# KiCad board element_foxtrot.kicad_pcb (continued)
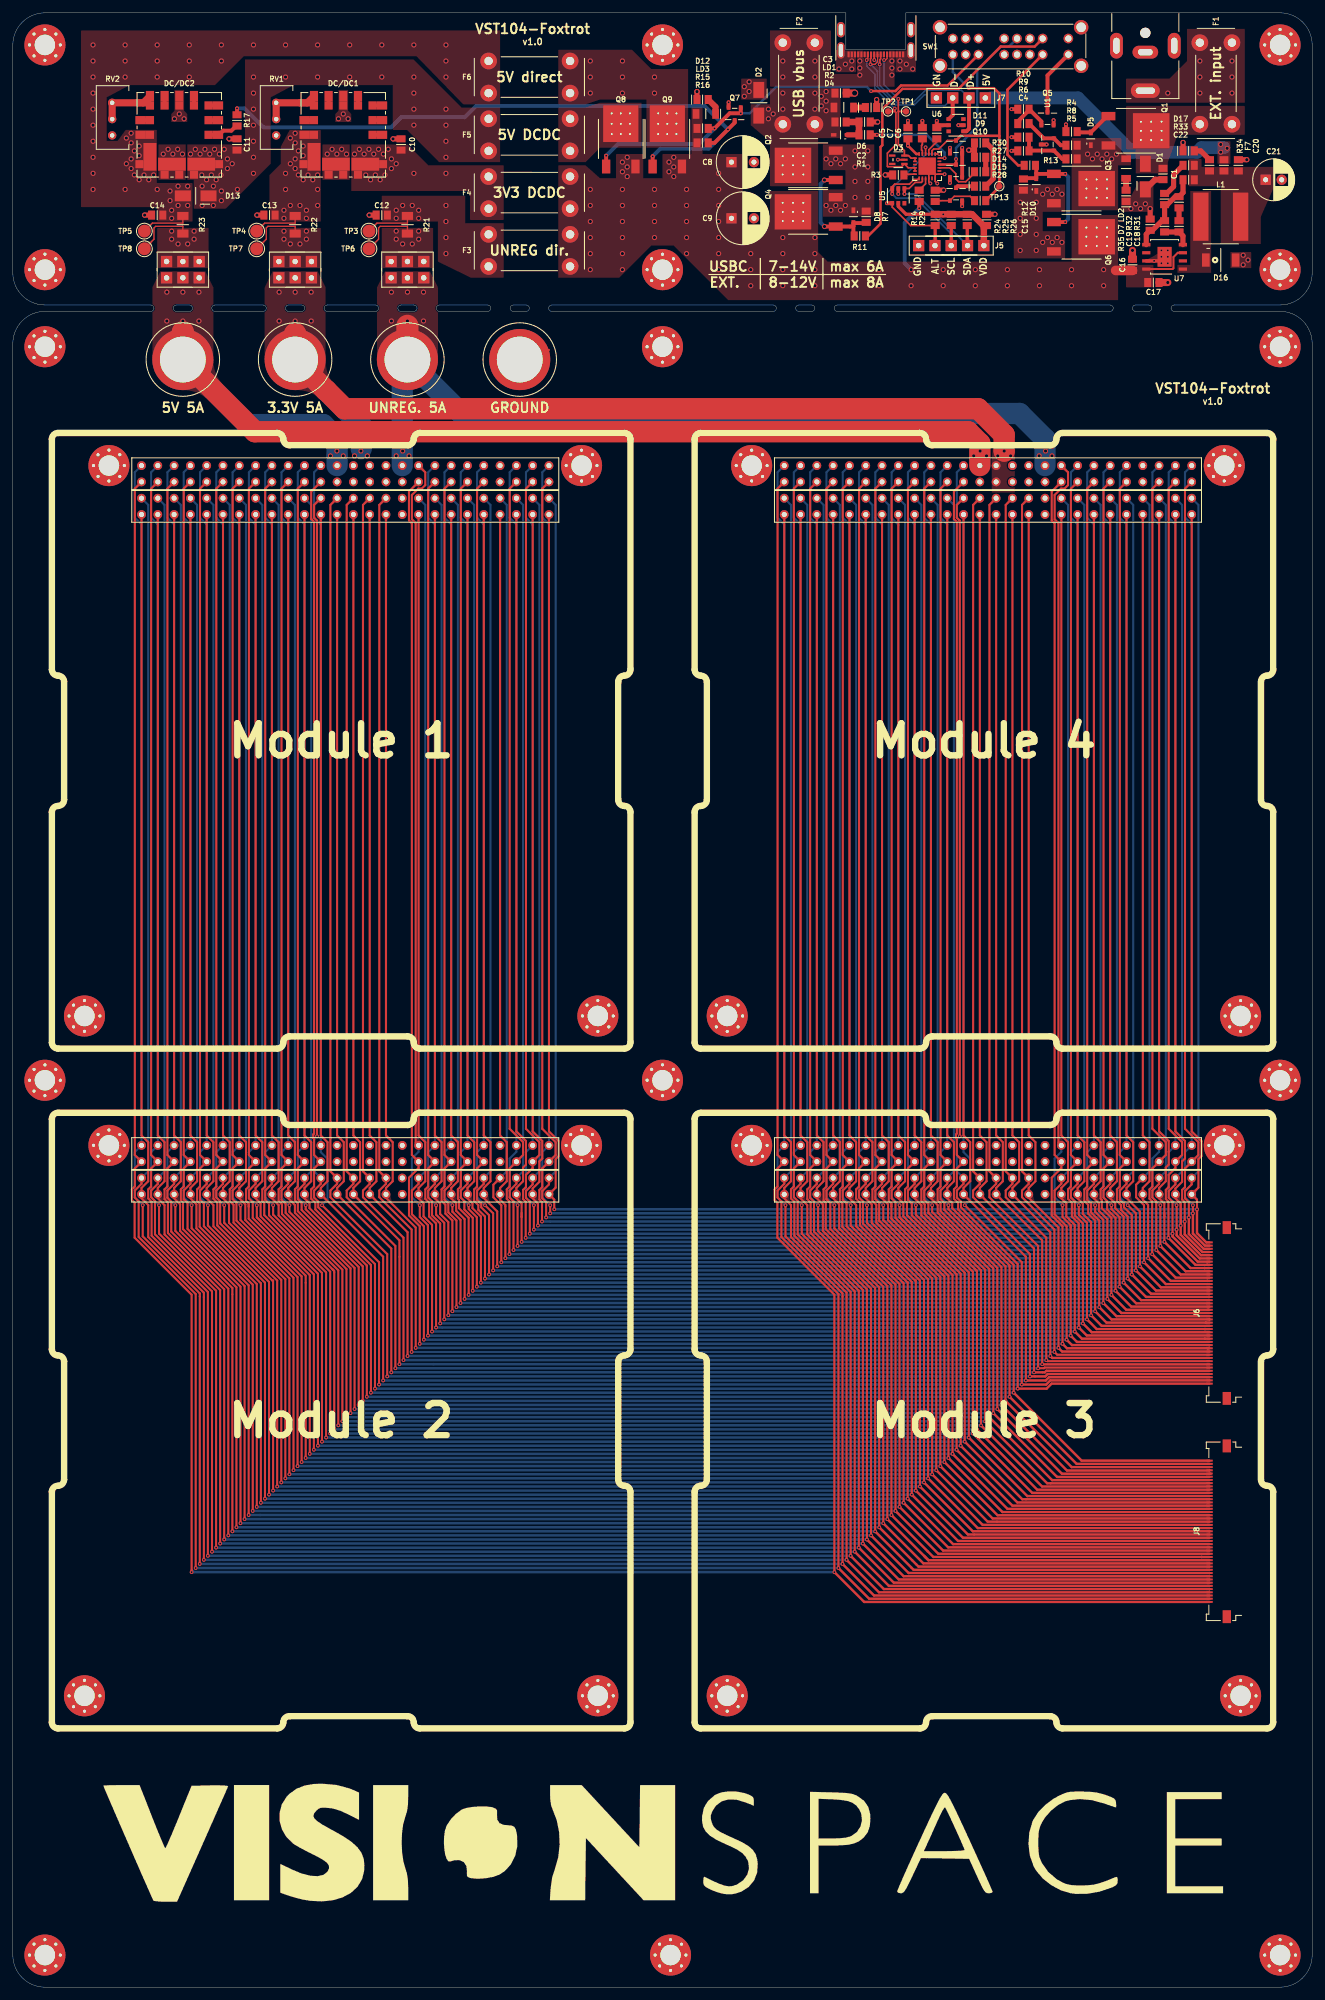
[diagram p0: board, top side]
## Copper pours and planes (outline as drawn; the poured copper is in the pictures) (continued)
/H1-17 on Top: 140.71,228.11 140.71,228.2 140.72,228.29 140.73,228.37 140.76,228.45 140.79,228.53 140.82,228.61 140.86,228.68 140.91,228.75 140.96,228.81 141.02,228.88 140.54,229.71 140.07,228.88 140.13,228.81 140.18,228.75 140.23,228.68 140.27,228.61 140.3,228.53 140.33,228.45 140.36,228.37 140.37,228.29 140.38,228.2 140.38,228.11
/H1-17 on Top: 140.38,124.48 140.38,124.44 140.37,124.4 140.36,124.35 140.33,124.3 140.3,124.25 140.27,124.2 140.23,124.15 140.18,124.09 140.13,124.03 140.07,123.97 140.54,123.14 141.02,123.97 140.96,124.03 140.91,124.09 140.86,124.15 140.82,124.2 140.79,124.25 140.76,124.3 140.73,124.35 140.72,124.4 140.71,124.44 140.71,124.48
/H1-17 on Top: 141.55,122.08 141.49,122.27 141.43,122.44 141.38,122.61 141.34,122.76 141.31,122.91 141.28,123.04 141.25,123.17 141.24,123.28 141.23,123.38 141.23,123.48 140.3,123.73 140.55,122.8 140.64,122.79 140.72,122.77 140.81,122.72 140.89,122.65 140.97,122.57 141.04,122.46 141.11,122.34 141.19,122.2 141.25,122.03 141.32,121.85
/H1-18 on Top: 40.54,125.12 40.54,125.14 40.55,125.17 40.56,125.2 40.59,125.24 40.62,125.28 40.65,125.32 40.69,125.37 40.74,125.42 40.79,125.48 40.85,125.54 40.38,126.37 39.9,125.54 39.96,125.48 40.01,125.42 40.06,125.37 40.1,125.32 40.13,125.28 40.16,125.24 40.19,125.2 40.2,125.17 40.21,125.14 40.21,125.12
/H1-18 on Top: 140.71,125.12 140.71,125.14 140.72,125.17 140.73,125.2 140.76,125.24 140.79,125.28 140.82,125.32 140.86,125.37 140.91,125.42 140.96,125.48 141.02,125.54 140.54,126.37 140.07,125.54 140.13,125.48 140.18,125.42 140.23,125.37 140.27,125.32 140.3,125.28 140.33,125.24 140.36,125.2 140.37,125.17 140.38,125.14 140.38,125.12
/H1-18 on Bottom: 41.38,231.13 41.32,231.2 41.26,231.26 41.21,231.34 41.17,231.41 41.14,231.48 41.11,231.56 41.08,231.64 41.07,231.73 41.06,231.81 41.06,231.9 40.13,232.15 40.38,231.22 40.47,231.22 40.55,231.21 40.64,231.2 40.72,231.17 40.8,231.14 40.87,231.11 40.94,231.07 41.02,231.02 41.08,230.96 41.15,230.9
/H1-18 on Bottom: 41.15,127.03 41.08,126.97 41.02,126.91 40.94,126.86 40.87,126.82 40.8,126.79 40.72,126.76 40.64,126.73 40.55,126.72 40.47,126.71 40.38,126.71 40.13,125.78 41.06,126.03 41.06,126.12 41.07,126.2 41.08,126.29 41.11,126.37 41.14,126.45 41.17,126.52 41.21,126.59 41.26,126.67 41.32,126.73 41.38,126.8
/H1-18 on Bottom: 141.32,127.03 141.25,126.97 141.19,126.91 141.11,126.86 141.04,126.82 140.97,126.79 140.89,126.76 140.81,126.73 140.72,126.72 140.64,126.71 140.55,126.71 140.3,125.78 141.23,126.03 141.23,126.12 141.24,126.2 141.25,126.29 141.28,126.37 141.31,126.45 141.34,126.52 141.38,126.59 141.43,126.67 141.49,126.73 141.55,126.8
/H1-18 on Bottom: 141.55,231.13 141.49,231.2 141.43,231.26 141.38,231.34 141.34,231.41 141.31,231.48 141.28,231.56 141.25,231.64 141.24,231.73 141.23,231.81 141.23,231.9 140.3,232.15 140.55,231.22 140.64,231.22 140.72,231.21 140.81,231.2 140.89,231.17 140.97,231.14 141.04,231.11 141.11,231.07 141.19,231.02 141.25,230.96 141.32,230.9
/H1-19 on Top: 42.75,124.48 42.75,124.44 42.74,124.4 42.73,124.35 42.7,124.3 42.67,124.25 42.64,124.2 42.6,124.15 42.55,124.09 42.5,124.03 42.44,123.97 42.92,123.14 43.39,123.97 43.33,124.03 43.28,124.09 43.23,124.15 43.19,124.2 43.16,124.25 43.13,124.3 43.1,124.35 43.09,124.4 43.08,124.44 43.08,124.48
/H1-19 on Top: 43.08,228.11 43.08,228.2 43.09,228.29 43.1,228.37 43.13,228.45 43.16,228.53 43.19,228.61 43.23,228.68 43.28,228.75 43.33,228.81 43.39,228.88 42.92,229.71 42.44,228.88 42.5,228.81 42.55,228.75 42.6,228.68 42.64,228.61 42.67,228.53 42.7,228.45 42.73,228.37 42.74,228.29 42.75,228.2 42.75,228.11
/H1-19 on Top: 43.92,122.08 43.86,122.27 43.8,122.44 43.75,122.61 43.71,122.76 43.68,122.91 43.65,123.04 43.62,123.17 43.61,123.28 43.6,123.38 43.6,123.48 42.67,123.73 42.92,122.8 43.01,122.79 43.09,122.77 43.18,122.72 43.26,122.65 43.34,122.57 43.41,122.46 43.48,122.34 43.56,122.2 43.62,122.03 43.69,121.85
/H1-19 on Top: 143.25,228.11 143.25,228.2 143.26,228.29 143.27,228.37 143.3,228.45 143.33,228.53 143.36,228.61 143.4,228.68 143.45,228.75 143.5,228.81 143.56,228.88 143.09,229.71 142.61,228.88 142.67,228.81 142.72,228.75 142.77,228.68 142.81,228.61 142.84,228.53 142.87,228.45 142.9,228.37 142.91,228.29 142.92,228.2 142.92,228.11
/H1-19 on Top: 142.92,124.48 142.92,124.44 142.91,124.4 142.9,124.35 142.87,124.3 142.84,124.25 142.81,124.2 142.77,124.15 142.72,124.09 142.67,124.03 142.61,123.97 143.09,123.14 143.56,123.97 143.5,124.03 143.45,124.09 143.4,124.15 143.36,124.2 143.33,124.25 143.3,124.3 143.27,124.35 143.26,124.4 143.25,124.44 143.25,124.48
/H1-19 on Top: 144.09,122.08 144.03,122.27 143.97,122.44 143.92,122.61 143.88,122.76 143.85,122.91 143.82,123.04 143.79,123.17 143.78,123.28 143.77,123.38 143.77,123.48 142.84,123.73 143.09,122.8 143.18,122.79 143.26,122.77 143.35,122.72 143.43,122.65 143.51,122.57 143.58,122.46 143.65,122.34 143.73,122.2 143.79,122.03 143.86,121.85
/H1-20 on Top: 43.08,125.12 43.08,125.14 43.09,125.17 43.1,125.2 43.13,125.24 43.16,125.28 43.19,125.32 43.23,125.37 43.28,125.42 43.33,125.48 43.39,125.54 42.92,126.37 42.44,125.54 42.5,125.48 42.55,125.42 42.6,125.37 42.64,125.32 42.67,125.28 42.7,125.24 42.73,125.2 42.74,125.17 42.75,125.14 42.75,125.12
/H1-20 on Top: 143.25,125.12 143.25,125.14 143.26,125.17 143.27,125.2 143.3,125.24 143.33,125.28 143.36,125.32 143.4,125.37 143.45,125.42 143.5,125.48 143.56,125.54 143.09,126.37 142.61,125.54 142.67,125.48 142.72,125.42 142.77,125.37 142.81,125.32 142.84,125.28 142.87,125.24 142.9,125.2 142.91,125.17 142.92,125.14 142.92,125.12
/H1-20 on Bottom: 43.69,127.03 43.62,126.97 43.56,126.91 43.48,126.86 43.41,126.82 43.34,126.79 43.26,126.76 43.18,126.73 43.09,126.72 43.01,126.71 42.92,126.71 42.67,125.78 43.6,126.03 43.6,126.12 43.61,126.2 43.62,126.29 43.65,126.37 43.68,126.45 43.71,126.52 43.75,126.59 43.8,126.67 43.86,126.73 43.92,126.8
/H1-20 on Bottom: 43.92,231.13 43.86,231.2 43.8,231.26 43.75,231.34 43.71,231.41 43.68,231.48 43.65,231.56 43.62,231.64 43.61,231.73 43.6,231.81 43.6,231.9 42.67,232.15 42.92,231.22 43.01,231.22 43.09,231.21 43.18,231.2 43.26,231.17 43.34,231.14 43.41,231.11 43.48,231.07 43.56,231.02 43.62,230.96 43.69,230.9
/H1-20 on Bottom: 143.86,127.03 143.79,126.97 143.73,126.91 143.65,126.86 143.58,126.82 143.51,126.79 143.43,126.76 143.35,126.73 143.26,126.72 143.18,126.71 143.09,126.71 142.84,125.78 143.77,126.03 143.77,126.12 143.78,126.2 143.79,126.29 143.82,126.37 143.85,126.45 143.88,126.52 143.92,126.59 143.97,126.67 144.03,126.73 144.09,126.8
/H1-20 on Bottom: 144.09,231.13 144.03,231.2 143.97,231.26 143.92,231.34 143.88,231.41 143.85,231.48 143.82,231.56 143.79,231.64 143.78,231.73 143.77,231.81 143.77,231.9 142.84,232.15 143.09,231.22 143.18,231.22 143.26,231.21 143.35,231.2 143.43,231.17 143.51,231.14 143.58,231.11 143.65,231.07 143.73,231.02 143.79,230.96 143.86,230.9
/H1-21 on Top: 46.35,122.19 46.31,122.36 46.27,122.51 46.24,122.66 46.21,122.8 46.19,122.94 46.17,123.06 46.15,123.18 46.14,123.29 46.14,123.39 46.14,123.48 45.21,123.73 45.46,122.8 45.55,122.79 45.63,122.77 45.71,122.73 45.78,122.67 45.85,122.59 45.91,122.5 45.97,122.39 46.02,122.27 46.07,122.12 46.12,121.96
/H1-21 on Top: 45.29,124.48 45.29,124.44 45.28,124.4 45.27,124.35 45.24,124.3 45.21,124.25 45.18,124.2 45.14,124.15 45.09,124.09 45.04,124.03 44.98,123.97 45.45,123.14 45.93,123.97 45.87,124.03 45.82,124.09 45.77,124.15 45.73,124.2 45.7,124.25 45.67,124.3 45.64,124.35 45.63,124.4 45.62,124.44 45.62,124.48
/H1-21 on Top: 45.62,228.11 45.62,228.2 45.63,228.29 45.64,228.37 45.67,228.45 45.7,228.53 45.73,228.61 45.77,228.68 45.82,228.75 45.87,228.81 45.93,228.88 45.45,229.71 44.98,228.88 45.04,228.81 45.09,228.75 45.14,228.68 45.18,228.61 45.21,228.53 45.24,228.45 45.27,228.37 45.28,228.29 45.29,228.2 45.29,228.11
/H1-21 on Top: 146.52,122.19 146.48,122.36 146.44,122.51 146.41,122.66 146.38,122.8 146.36,122.94 146.34,123.06 146.32,123.18 146.31,123.29 146.31,123.39 146.31,123.48 145.38,123.73 145.63,122.8 145.72,122.79 145.8,122.77 145.88,122.73 145.95,122.67 146.02,122.59 146.08,122.5 146.14,122.39 146.19,122.27 146.24,122.12 146.29,121.96
/H1-21 on Top: 145.79,228.11 145.79,228.2 145.8,228.29 145.81,228.37 145.84,228.45 145.87,228.53 145.9,228.61 145.94,228.68 145.99,228.75 146.04,228.81 146.1,228.88 145.62,229.71 145.15,228.88 145.21,228.81 145.26,228.75 145.31,228.68 145.35,228.61 145.38,228.53 145.41,228.45 145.44,228.37 145.45,228.29 145.46,228.2 145.46,228.11
/H1-21 on Top: 145.46,124.48 145.46,124.44 145.45,124.4 145.44,124.35 145.41,124.3 145.38,124.25 145.35,124.2 145.31,124.15 145.26,124.09 145.21,124.03 145.15,123.97 145.62,123.14 146.1,123.97 146.04,124.03 145.99,124.09 145.94,124.15 145.9,124.2 145.87,124.25 145.84,124.3 145.81,124.35 145.8,124.4 145.79,124.44 145.79,124.48
/H1-22 on Top: 45.62,125.12 45.62,125.14 45.63,125.17 45.64,125.2 45.67,125.24 45.7,125.28 45.73,125.32 45.77,125.37 45.82,125.42 45.87,125.48 45.93,125.54 45.45,126.37 44.98,125.54 45.04,125.48 45.09,125.42 45.14,125.37 45.18,125.32 45.21,125.28 45.24,125.24 45.27,125.2 45.28,125.17 45.29,125.14 45.29,125.12
/H1-22 on Top: 145.79,125.12 145.79,125.14 145.8,125.17 145.81,125.2 145.84,125.24 145.87,125.28 145.9,125.32 145.94,125.37 145.99,125.42 146.04,125.48 146.1,125.54 145.62,126.37 145.15,125.54 145.21,125.48 145.26,125.42 145.31,125.37 145.35,125.32 145.38,125.28 145.41,125.24 145.44,125.2 145.45,125.17 145.46,125.14 145.46,125.12
/H1-22 on Bottom: 46.46,231.13 46.4,231.2 46.34,231.26 46.29,231.34 46.25,231.41 46.22,231.48 46.19,231.56 46.16,231.64 46.15,231.73 46.14,231.81 46.14,231.9 45.21,232.15 45.46,231.22 45.55,231.22 45.63,231.21 45.72,231.2 45.8,231.17 45.88,231.14 45.95,231.11 46.02,231.07 46.1,231.02 46.16,230.96 46.23,230.9
/H1-22 on Bottom: 46.23,127.03 46.16,126.97 46.1,126.91 46.02,126.86 45.95,126.82 45.88,126.79 45.8,126.76 45.72,126.73 45.63,126.72 45.55,126.71 45.46,126.71 45.21,125.78 46.14,126.03 46.14,126.12 46.15,126.2 46.16,126.29 46.19,126.37 46.22,126.45 46.25,126.52 46.29,126.59 46.34,126.67 46.4,126.73 46.46,126.8
/H1-22 on Bottom: 146.4,127.03 146.33,126.97 146.27,126.91 146.19,126.86 146.12,126.82 146.05,126.79 145.97,126.76 145.89,126.73 145.8,126.72 145.72,126.71 145.63,126.71 145.38,125.78 146.31,126.03 146.31,126.12 146.32,126.2 146.33,126.29 146.36,126.37 146.39,126.45 146.42,126.52 146.46,126.59 146.51,126.67 146.57,126.73 146.63,126.8
/H1-22 on Bottom: 146.63,231.13 146.57,231.2 146.51,231.26 146.46,231.34 146.42,231.41 146.39,231.48 146.36,231.56 146.33,231.64 146.32,231.73 146.31,231.81 146.31,231.9 145.38,232.15 145.63,231.22 145.72,231.22 145.8,231.21 145.89,231.2 145.97,231.17 146.05,231.14 146.12,231.11 146.19,231.07 146.27,231.02 146.33,230.96 146.4,230.9
/H1-23 on Top: 47.83,124.48 47.83,124.44 47.82,124.4 47.81,124.35 47.78,124.3 47.75,124.25 47.72,124.2 47.68,124.15 47.63,124.09 47.58,124.03 47.52,123.97 48,123.14 48.47,123.97 48.41,124.03 48.36,124.09 48.31,124.15 48.27,124.2 48.24,124.25 48.21,124.3 48.18,124.35 48.17,124.4 48.16,124.44 48.16,124.48
/H1-23 on Top: 48.16,228.11 48.16,228.2 48.17,228.29 48.18,228.37 48.21,228.45 48.24,228.53 48.27,228.61 48.31,228.68 48.36,228.75 48.41,228.81 48.47,228.88 48,229.71 47.52,228.88 47.58,228.81 47.63,228.75 47.68,228.68 47.72,228.61 47.75,228.53 47.78,228.45 47.81,228.37 47.82,228.29 47.83,228.2 47.83,228.11
/H1-23 on Top: 49,122.71 48.94,122.78 48.88,122.84 48.83,122.92 48.79,122.99 48.76,123.06 48.73,123.14 48.7,123.22 48.69,123.31 48.68,123.39 48.68,123.48 47.75,123.73 48,122.8 48.09,122.8 48.17,122.79 48.26,122.78 48.34,122.75 48.42,122.72 48.49,122.69 48.56,122.65 48.64,122.6 48.7,122.54 48.77,122.48
/H1-23 on Top: 149.17,122.71 149.11,122.78 149.05,122.84 149,122.92 148.96,122.99 148.93,123.06 148.9,123.14 148.87,123.22 148.86,123.31 148.85,123.39 148.85,123.48 147.92,123.73 148.17,122.8 148.26,122.8 148.34,122.79 148.43,122.78 148.51,122.75 148.59,122.72 148.66,122.69 148.73,122.65 148.81,122.6 148.87,122.54 148.94,122.48
/H1-23 on Top: 148.33,228.11 148.33,228.2 148.34,228.29 148.35,228.37 148.38,228.45 148.41,228.53 148.44,228.61 148.48,228.68 148.53,228.75 148.58,228.81 148.64,228.88 148.16,229.71 147.69,228.88 147.75,228.81 147.8,228.75 147.85,228.68 147.89,228.61 147.92,228.53 147.95,228.45 147.98,228.37 147.99,228.29 148,228.2 148,228.11
/H1-23 on Top: 148,124.48 148,124.44 147.99,124.4 147.98,124.35 147.95,124.3 147.92,124.25 147.89,124.2 147.85,124.15 147.8,124.09 147.75,124.03 147.69,123.97 148.16,123.14 148.64,123.97 148.58,124.03 148.53,124.09 148.48,124.15 148.44,124.2 148.41,124.25 148.38,124.3 148.35,124.35 148.34,124.4 148.33,124.44 148.33,124.48
/H1-24 on Top: 48.16,125.12 48.16,125.14 48.17,125.17 48.18,125.2 48.21,125.24 48.24,125.28 48.27,125.32 48.31,125.37 48.36,125.42 48.41,125.48 48.47,125.54 48,126.37 47.52,125.54 47.58,125.48 47.63,125.42 47.68,125.37 47.72,125.32 47.75,125.28 47.78,125.24 47.81,125.2 47.82,125.17 47.83,125.14 47.83,125.12
/H1-24 on Top: 47.22,230.9 47.29,230.96 47.35,231.02 47.43,231.07 47.5,231.11 47.57,231.14 47.65,231.17 47.73,231.2 47.82,231.21 47.9,231.22 47.99,231.22 48.24,232.15 47.31,231.9 47.31,231.81 47.3,231.73 47.29,231.64 47.26,231.56 47.23,231.48 47.2,231.41 47.16,231.34 47.11,231.26 47.05,231.2 46.99,231.13
/H1-24 on Top: 147.39,230.9 147.46,230.96 147.52,231.02 147.6,231.07 147.67,231.11 147.74,231.14 147.82,231.17 147.9,231.2 147.99,231.21 148.07,231.22 148.16,231.22 148.41,232.15 147.48,231.9 147.48,231.81 147.47,231.73 147.46,231.64 147.43,231.56 147.4,231.48 147.37,231.41 147.33,231.34 147.28,231.26 147.22,231.2 147.16,231.13
/H1-24 on Top: 148.33,125.12 148.33,125.14 148.34,125.17 148.35,125.2 148.38,125.24 148.41,125.28 148.44,125.32 148.48,125.37 148.53,125.42 148.58,125.48 148.64,125.54 148.16,126.37 147.69,125.54 147.75,125.48 147.8,125.42 147.85,125.37 147.89,125.32 147.92,125.28 147.95,125.24 147.98,125.2 147.99,125.17 148,125.14 148,125.12
/H1-24 on Bottom: 46.99,126.8 47.05,126.73 47.11,126.67 47.16,126.59 47.2,126.52 47.23,126.45 47.26,126.37 47.29,126.29 47.3,126.2 47.31,126.12 47.31,126.03 48.24,125.78 47.99,126.71 47.9,126.71 47.82,126.72 47.73,126.73 47.65,126.76 47.57,126.79 47.5,126.82 47.43,126.86 47.35,126.91 47.29,126.97 47.22,127.03
/H1-24 on Bottom: 147.16,126.8 147.22,126.73 147.28,126.67 147.33,126.59 147.37,126.52 147.4,126.45 147.43,126.37 147.46,126.29 147.47,126.2 147.48,126.12 147.48,126.03 148.41,125.78 148.16,126.71 148.07,126.71 147.99,126.72 147.9,126.73 147.82,126.76 147.74,126.79 147.67,126.82 147.6,126.86 147.52,126.91 147.46,126.97 147.39,127.03
/H1-25 on Top: 50.37,124.48 50.37,124.44 50.36,124.4 50.35,124.35 50.32,124.3 50.29,124.25 50.26,124.2 50.22,124.15 50.17,124.09 50.12,124.03 50.06,123.97 50.53,123.14 51.01,123.97 50.95,124.03 50.9,124.09 50.85,124.15 50.81,124.2 50.78,124.25 50.75,124.3 50.72,124.35 50.71,124.4 50.7,124.44 50.7,124.48
/H1-25 on Top: 50.7,228.11 50.7,228.2 50.71,228.29 50.72,228.37 50.75,228.45 50.78,228.53 50.81,228.61 50.85,228.68 50.9,228.75 50.95,228.81 51.01,228.88 50.53,229.71 50.06,228.88 50.12,228.81 50.17,228.75 50.22,228.68 50.26,228.61 50.29,228.53 50.32,228.45 50.35,228.37 50.36,228.29 50.37,228.2 50.37,228.11
/H1-25 on Top: 51.54,122.71 51.48,122.78 51.42,122.84 51.37,122.92 51.33,122.99 51.3,123.06 51.27,123.14 51.24,123.22 51.23,123.31 51.22,123.39 51.22,123.48 50.29,123.73 50.54,122.8 50.63,122.8 50.71,122.79 50.8,122.78 50.88,122.75 50.96,122.72 51.03,122.69 51.1,122.65 51.18,122.6 51.24,122.54 51.31,122.48
/H1-25 on Top: 151.71,122.71 151.65,122.78 151.59,122.84 151.54,122.92 151.5,122.99 151.47,123.06 151.44,123.14 151.41,123.22 151.4,123.31 151.39,123.39 151.39,123.48 150.46,123.73 150.71,122.8 150.8,122.8 150.88,122.79 150.97,122.78 151.05,122.75 151.13,122.72 151.2,122.69 151.27,122.65 151.35,122.6 151.41,122.54 151.48,122.48
/H1-25 on Top: 150.87,228.11 150.87,228.2 150.88,228.29 150.89,228.37 150.92,228.45 150.95,228.53 150.98,228.61 151.02,228.68 151.07,228.75 151.12,228.81 151.18,228.88 150.71,229.71 150.23,228.88 150.29,228.81 150.34,228.75 150.39,228.68 150.43,228.61 150.46,228.53 150.49,228.45 150.52,228.37 150.53,228.29 150.54,228.2 150.54,228.11
/H1-25 on Top: 150.54,124.48 150.54,124.44 150.53,124.4 150.52,124.35 150.49,124.3 150.46,124.25 150.43,124.2 150.39,124.15 150.34,124.09 150.29,124.03 150.23,123.97 150.71,123.14 151.18,123.97 151.12,124.03 151.07,124.09 151.02,124.15 150.98,124.2 150.95,124.25 150.92,124.3 150.89,124.35 150.88,124.4 150.87,124.44 150.87,124.48
/H1-26 on Top: 50.7,125.12 50.7,125.14 50.71,125.17 50.72,125.2 50.75,125.24 50.78,125.28 50.81,125.32 50.85,125.37 50.9,125.42 50.95,125.48 51.01,125.54 50.53,126.37 50.06,125.54 50.12,125.48 50.17,125.42 50.22,125.37 50.26,125.32 50.29,125.28 50.32,125.24 50.35,125.2 50.36,125.17 50.37,125.14 50.37,125.12
/H1-26 on Top: 49.76,230.9 49.83,230.96 49.89,231.02 49.97,231.07 50.04,231.11 50.11,231.14 50.19,231.17 50.27,231.2 50.36,231.21 50.44,231.22 50.53,231.22 50.78,232.15 49.85,231.9 49.85,231.81 49.84,231.73 49.83,231.64 49.8,231.56 49.77,231.48 49.74,231.41 49.7,231.34 49.65,231.26 49.59,231.2 49.53,231.13
/H1-26 on Top: 49.53,126.8 49.59,126.73 49.65,126.67 49.7,126.59 49.74,126.52 49.77,126.45 49.8,126.37 49.83,126.29 49.84,126.2 49.85,126.12 49.85,126.03 50.78,125.78 50.53,126.71 50.44,126.71 50.36,126.72 50.27,126.73 50.19,126.76 50.11,126.79 50.04,126.82 49.97,126.86 49.89,126.91 49.83,126.97 49.76,127.03
/H1-26 on Top: 149.93,230.9 150,230.96 150.06,231.02 150.14,231.07 150.21,231.11 150.28,231.14 150.36,231.17 150.44,231.2 150.53,231.21 150.61,231.22 150.7,231.22 150.95,232.15 150.02,231.9 150.02,231.81 150.01,231.73 150,231.64 149.97,231.56 149.94,231.48 149.91,231.41 149.87,231.34 149.82,231.26 149.76,231.2 149.7,231.13
/H1-26 on Top: 149.7,126.8 149.76,126.73 149.82,126.67 149.87,126.59 149.91,126.52 149.94,126.45 149.97,126.37 150,126.29 150.01,126.2 150.02,126.12 150.02,126.03 150.95,125.78 150.7,126.71 150.61,126.71 150.53,126.72 150.44,126.73 150.36,126.76 150.28,126.79 150.21,126.82 150.14,126.86 150.06,126.91 150,126.97 149.93,127.03
/H1-26 on Top: 150.87,125.12 150.87,125.14 150.88,125.17 150.89,125.2 150.92,125.24 150.95,125.28 150.98,125.32 151.02,125.37 151.07,125.42 151.12,125.48 151.18,125.54 150.71,126.37 150.23,125.54 150.29,125.48 150.34,125.42 150.39,125.37 150.43,125.32 150.46,125.28 150.49,125.24 150.52,125.2 150.53,125.17 150.54,125.14 150.54,125.12
/H1-27 on Top: 153.41,228.11 153.41,228.2 153.42,228.29 153.43,228.37 153.46,228.45 153.49,228.53 153.52,228.61 153.56,228.68 153.61,228.75 153.66,228.81 153.72,228.88 153.25,229.71 152.77,228.88 152.83,228.81 152.88,228.75 152.93,228.68 152.97,228.61 153,228.53 153.03,228.45 153.06,228.37 153.07,228.29 153.08,228.2 153.08,228.11
/H1-27 on Top: 153.08,124.48 153.08,124.44 153.07,124.4 153.06,124.35 153.03,124.3 153,124.25 152.97,124.2 152.93,124.15 152.88,124.09 152.83,124.03 152.77,123.97 153.25,123.14 153.72,123.97 153.66,124.03 153.61,124.09 153.56,124.15 153.52,124.2 153.49,124.25 153.46,124.3 153.43,124.35 153.42,124.4 153.41,124.44 153.41,124.48
/H1-27 on Top: 52.91,124.48 52.91,124.44 52.9,124.4 52.89,124.35 52.86,124.3 52.83,124.25 52.8,124.2 52.76,124.15 52.71,124.09 52.66,124.03 52.6,123.97 53.08,123.14 53.55,123.97 53.49,124.03 53.44,124.09 53.39,124.15 53.35,124.2 53.32,124.25 53.29,124.3 53.26,124.35 53.25,124.4 53.24,124.44 53.24,124.48
/H1-27 on Top: 53.24,228.11 53.24,228.2 53.25,228.29 53.26,228.37 53.29,228.45 53.32,228.53 53.35,228.61 53.39,228.68 53.44,228.75 53.49,228.81 53.55,228.88 53.08,229.71 52.6,228.88 52.66,228.81 52.71,228.75 52.76,228.68 52.8,228.61 52.83,228.53 52.86,228.45 52.89,228.37 52.9,228.29 52.91,228.2 52.91,228.11
/H1-27 on Top: 54.08,122.71 54.02,122.78 53.96,122.84 53.91,122.92 53.87,122.99 53.84,123.06 53.81,123.14 53.78,123.22 53.77,123.31 53.76,123.39 53.76,123.48 52.83,123.73 53.08,122.8 53.17,122.8 53.25,122.79 53.34,122.78 53.42,122.75 53.5,122.72 53.57,122.69 53.64,122.65 53.72,122.6 53.78,122.54 53.85,122.48
/H1-27 on Top: 154.25,122.71 154.19,122.78 154.13,122.84 154.08,122.92 154.04,122.99 154.01,123.06 153.98,123.14 153.95,123.22 153.94,123.31 153.93,123.39 153.93,123.48 153,123.73 153.25,122.8 153.34,122.8 153.42,122.79 153.51,122.78 153.59,122.75 153.67,122.72 153.74,122.69 153.81,122.65 153.89,122.6 153.95,122.54 154.02,122.48
/H1-28 on Top: 53.24,125.12 53.24,125.14 53.25,125.17 53.26,125.2 53.29,125.24 53.32,125.28 53.35,125.32 53.39,125.37 53.44,125.42 53.49,125.48 53.55,125.54 53.08,126.37 52.6,125.54 52.66,125.48 52.71,125.42 52.76,125.37 52.8,125.32 52.83,125.28 52.86,125.24 52.89,125.2 52.9,125.17 52.91,125.14 52.91,125.12
/H1-28 on Top: 52.3,230.9 52.37,230.96 52.43,231.02 52.51,231.07 52.58,231.11 52.65,231.14 52.73,231.17 52.81,231.2 52.9,231.21 52.98,231.22 53.07,231.22 53.32,232.15 52.39,231.9 52.39,231.81 52.38,231.73 52.37,231.64 52.34,231.56 52.31,231.48 52.28,231.41 52.24,231.34 52.19,231.26 52.13,231.2 52.07,231.13
/H1-28 on Top: 52.07,126.8 52.13,126.73 52.19,126.67 52.24,126.59 52.28,126.52 52.31,126.45 52.34,126.37 52.37,126.29 52.38,126.2 52.39,126.12 52.39,126.03 53.32,125.78 53.07,126.71 52.98,126.71 52.9,126.72 52.81,126.73 52.73,126.76 52.65,126.79 52.58,126.82 52.51,126.86 52.43,126.91 52.37,126.97 52.3,127.03
/H1-28 on Top: 152.47,230.9 152.54,230.96 152.6,231.02 152.68,231.07 152.75,231.11 152.82,231.14 152.9,231.17 152.98,231.2 153.07,231.21 153.15,231.22 153.24,231.22 153.49,232.15 152.56,231.9 152.56,231.81 152.55,231.73 152.54,231.64 152.51,231.56 152.48,231.48 152.45,231.41 152.41,231.34 152.36,231.26 152.3,231.2 152.24,231.13
/H1-28 on Top: 152.24,126.8 152.3,126.73 152.36,126.67 152.41,126.59 152.45,126.52 152.48,126.45 152.51,126.37 152.54,126.29 152.55,126.2 152.56,126.12 152.56,126.03 153.49,125.78 153.24,126.71 153.15,126.71 153.07,126.72 152.98,126.73 152.9,126.76 152.82,126.79 152.75,126.82 152.68,126.86 152.6,126.91 152.54,126.97 152.47,127.03
/H1-28 on Top: 153.41,125.12 153.41,125.14 153.42,125.17 153.43,125.2 153.46,125.24 153.49,125.28 153.52,125.32 153.56,125.37 153.61,125.42 153.66,125.48 153.72,125.54 153.25,126.37 152.77,125.54 152.83,125.48 152.88,125.42 152.93,125.37 152.97,125.32 153,125.28 153.03,125.24 153.06,125.2 153.07,125.17 153.08,125.14 153.08,125.12
/H1-29 on Top: 155.62,124.48 155.62,124.44 155.61,124.4 155.6,124.35 155.57,124.3 155.54,124.25 155.51,124.2 155.47,124.15 155.42,124.09 155.37,124.03 155.31,123.97 155.78,123.14 156.26,123.97 156.2,124.03 156.15,124.09 156.1,124.15 156.06,124.2 156.03,124.25 156,124.3 155.97,124.35 155.96,124.4 155.95,124.44 155.95,124.48
/H1-29 on Top: 155.95,228.11 155.95,228.2 155.96,228.29 155.97,228.37 156,228.45 156.03,228.53 156.06,228.61 156.1,228.68 156.15,228.75 156.2,228.81 156.26,228.88 155.78,229.71 155.31,228.88 155.37,228.81 155.42,228.75 155.47,228.68 155.51,228.61 155.54,228.53 155.57,228.45 155.6,228.37 155.61,228.29 155.62,228.2 155.62,228.11
/H1-29 on Top: 55.45,124.48 55.45,124.44 55.44,124.4 55.43,124.35 55.4,124.3 55.37,124.25 55.34,124.2 55.3,124.15 55.25,124.09 55.2,124.03 55.14,123.97 55.61,123.14 56.09,123.97 56.03,124.03 55.98,124.09 55.93,124.15 55.89,124.2 55.86,124.25 55.83,124.3 55.8,124.35 55.79,124.4 55.78,124.44 55.78,124.48
/H1-29 on Top: 55.78,228.11 55.78,228.2 55.79,228.29 55.8,228.37 55.83,228.45 55.86,228.53 55.89,228.61 55.93,228.68 55.98,228.75 56.03,228.81 56.09,228.88 55.61,229.71 55.14,228.88 55.2,228.81 55.25,228.75 55.3,228.68 55.34,228.61 55.37,228.53 55.4,228.45 55.43,228.37 55.44,228.29 55.45,228.2 55.45,228.11
/H1-29 on Top: 56.62,122.71 56.56,122.78 56.5,122.84 56.45,122.92 56.41,122.99 56.38,123.06 56.35,123.14 56.32,123.22 56.31,123.31 56.3,123.39 56.3,123.48 55.37,123.73 55.62,122.8 55.71,122.8 55.79,122.79 55.88,122.78 55.96,122.75 56.04,122.72 56.11,122.69 56.18,122.65 56.26,122.6 56.32,122.54 56.39,122.48
/H1-29 on Top: 156.79,122.71 156.73,122.78 156.67,122.84 156.62,122.92 156.58,122.99 156.55,123.06 156.52,123.14 156.49,123.22 156.48,123.31 156.47,123.39 156.47,123.48 155.54,123.73 155.79,122.8 155.88,122.8 155.96,122.79 156.05,122.78 156.13,122.75 156.21,122.72 156.28,122.69 156.35,122.65 156.43,122.6 156.49,122.54 156.56,122.48
/H1-30 on Top: 155.01,230.9 155.08,230.96 155.14,231.02 155.22,231.07 155.29,231.11 155.36,231.14 155.44,231.17 155.52,231.2 155.61,231.21 155.69,231.22 155.78,231.22 156.03,232.15 155.1,231.9 155.1,231.81 155.09,231.73 155.08,231.64 155.05,231.56 155.02,231.48 154.99,231.41 154.95,231.34 154.9,231.26 154.84,231.2 154.78,231.13
/H1-30 on Top: 154.78,126.8 154.84,126.73 154.9,126.67 154.95,126.59 154.99,126.52 155.02,126.45 155.05,126.37 155.08,126.29 155.09,126.2 155.1,126.12 155.1,126.03 156.03,125.78 155.78,126.71 155.69,126.71 155.61,126.72 155.52,126.73 155.44,126.76 155.36,126.79 155.29,126.82 155.22,126.86 155.14,126.91 155.08,126.97 155.01,127.03
